# Altium PCB 控制板.PcbDoc (part 1 of 12)
Units mil, origin at the board's own origin, x right, y up, seen from the top; angles counter-clockwise.
Board outline 8150.4 x 2246.9 mil, 6 copper layers (TopLayer, MidLayer1, MidLayer2, MidLayer3, MidLayer4, BottomLayer); 1570 components, 853 nets, 4888 pads, 1859 vias.
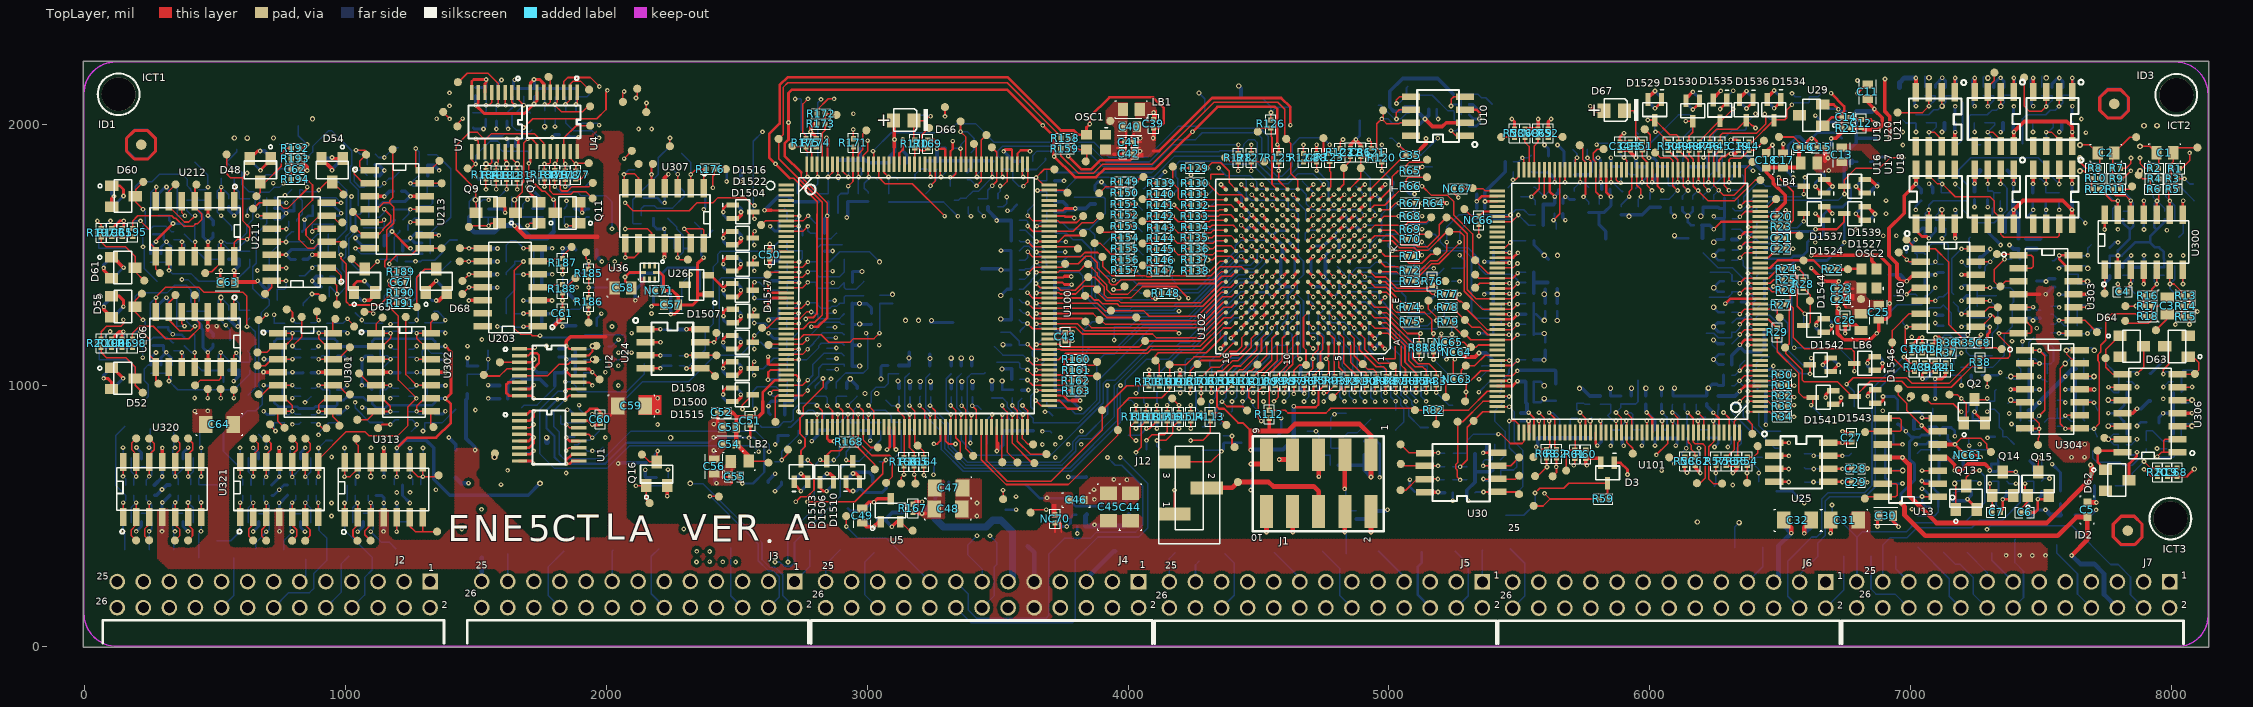
[diagram p0: TopLayer view]
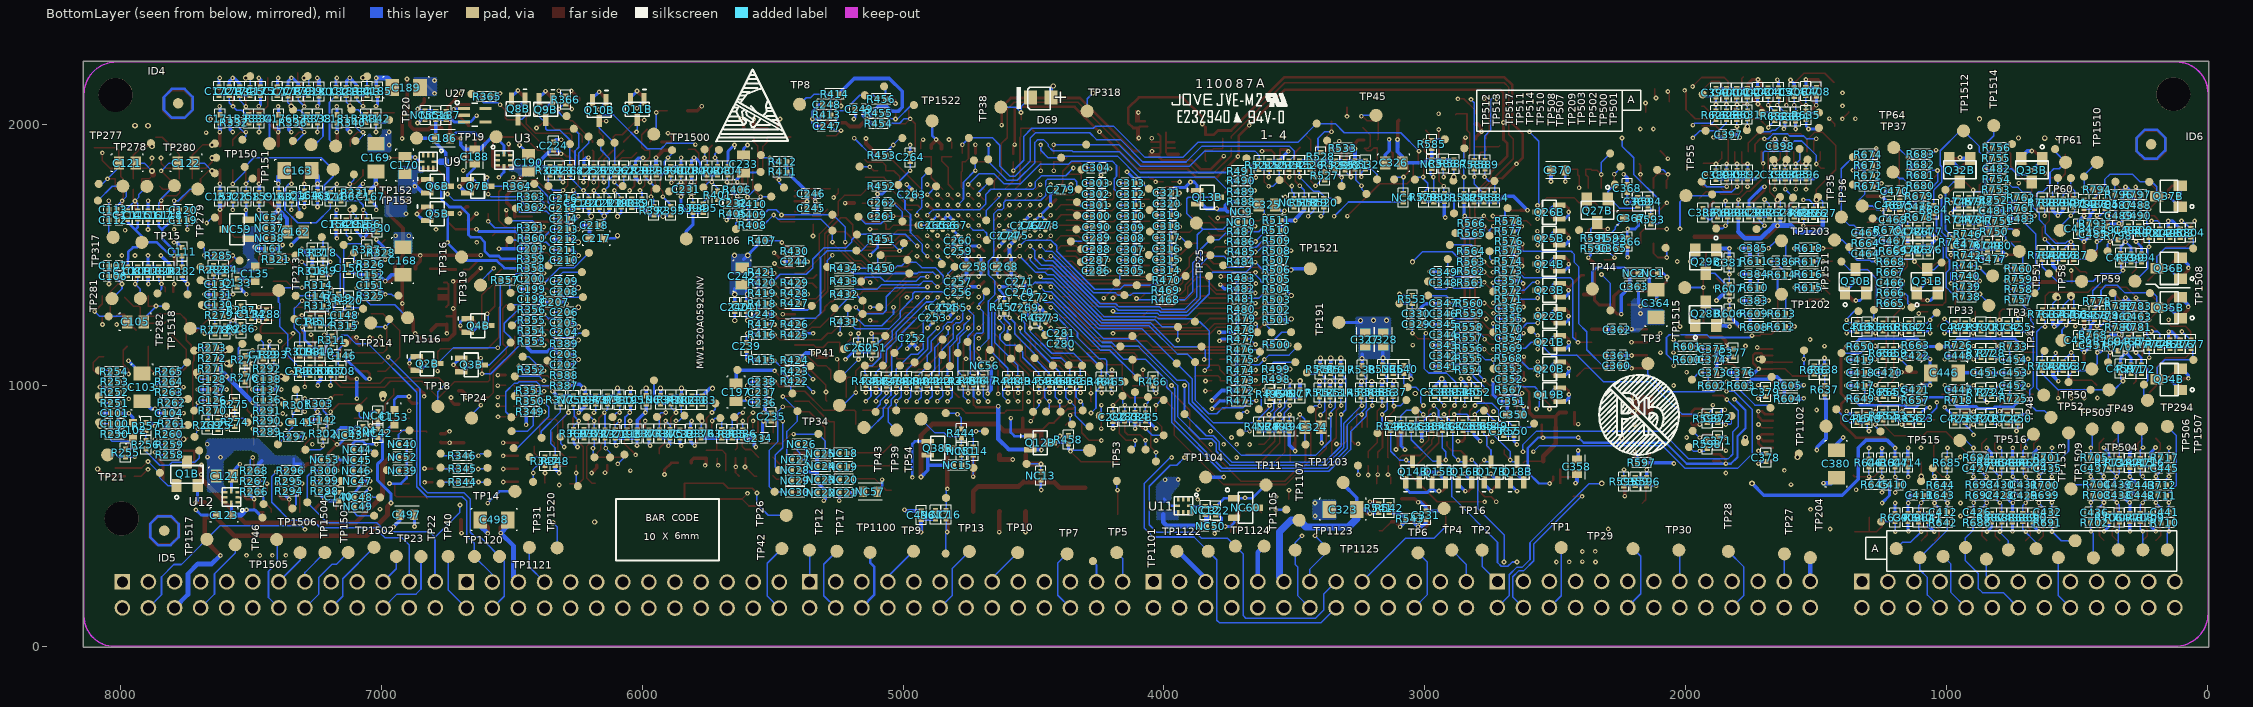
[diagram p1: BottomLayer view, seen from below]
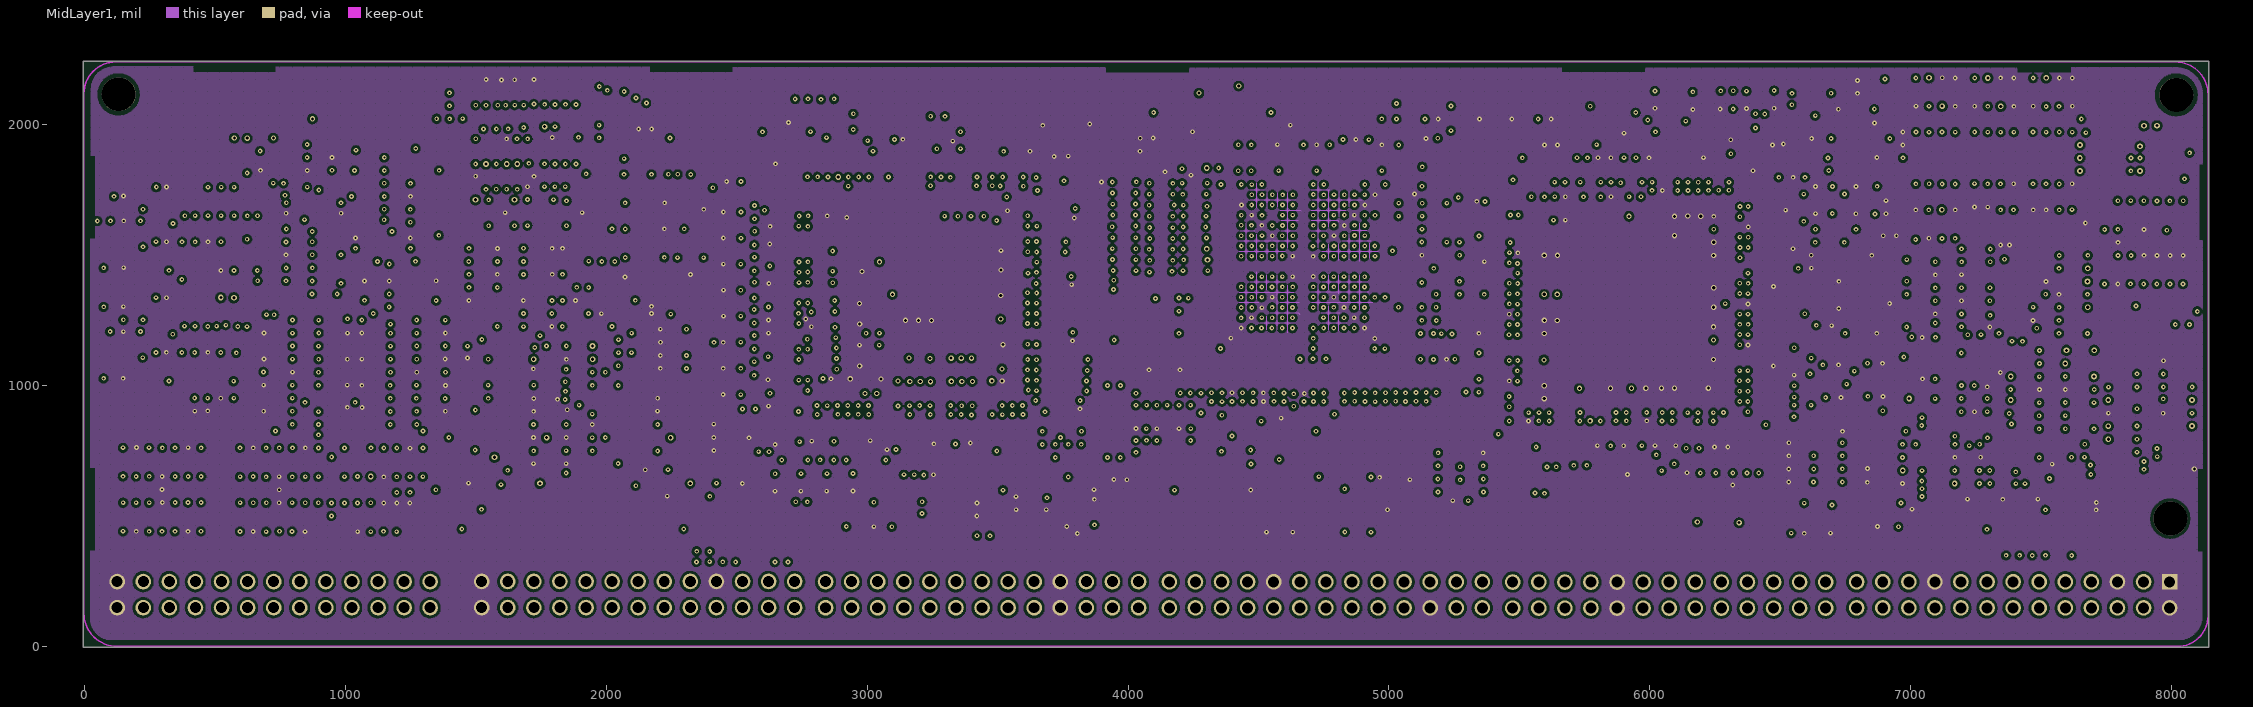
[diagram p2: MidLayer1]
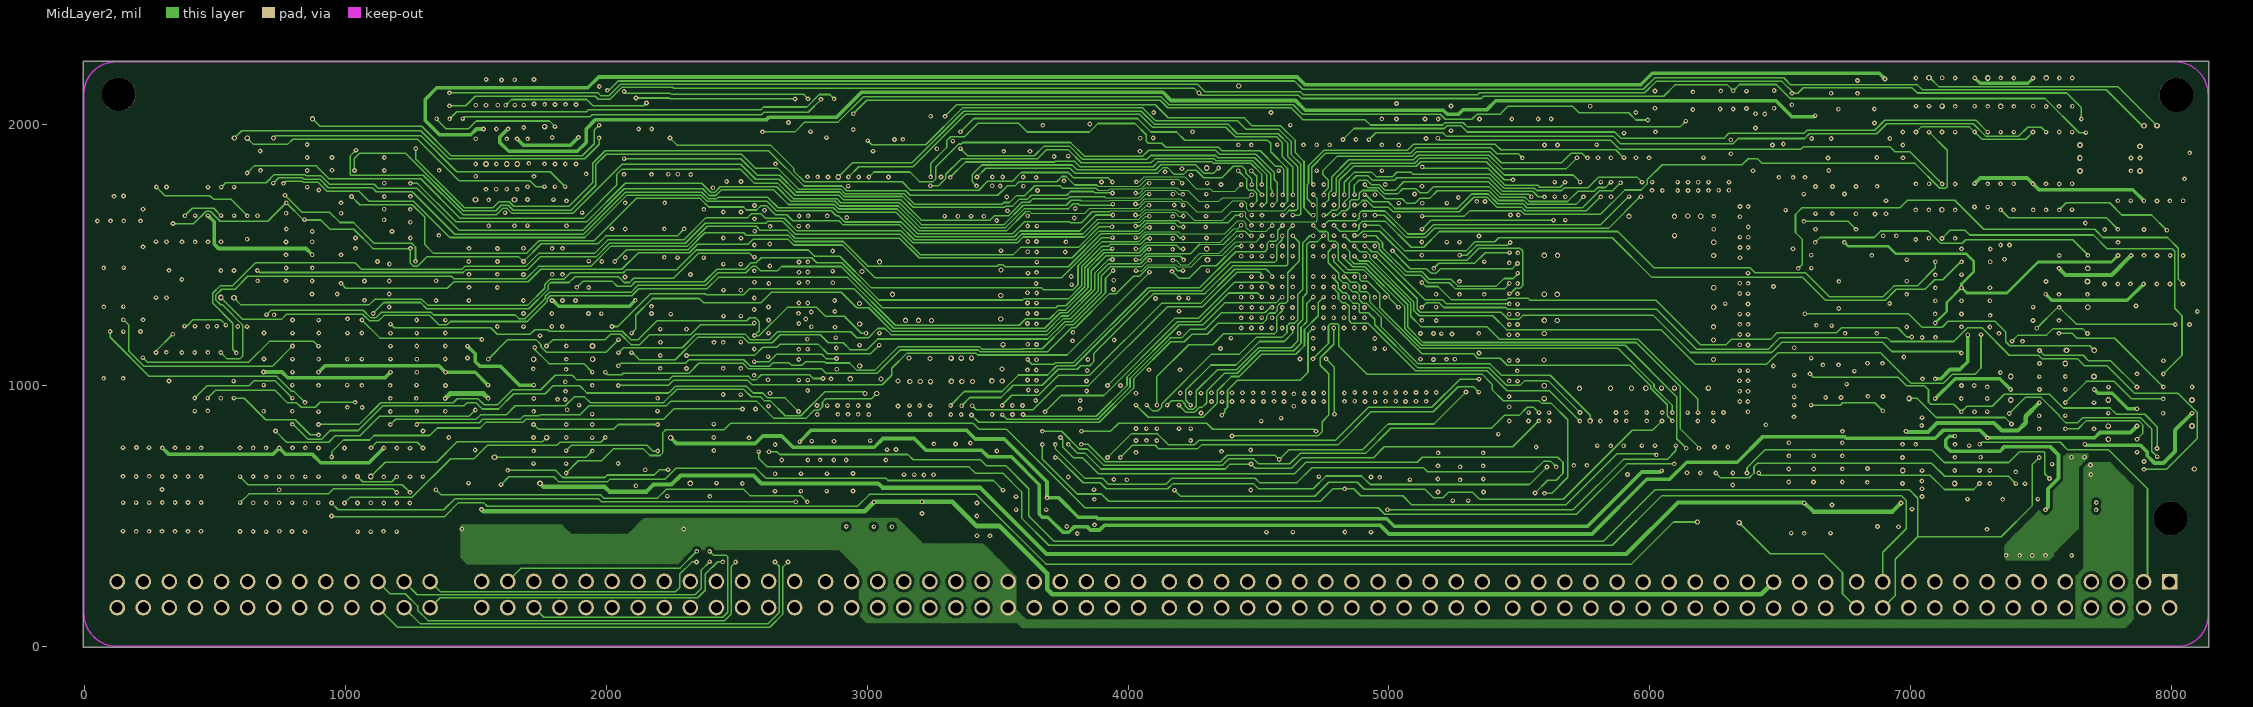
[diagram p3: MidLayer2]
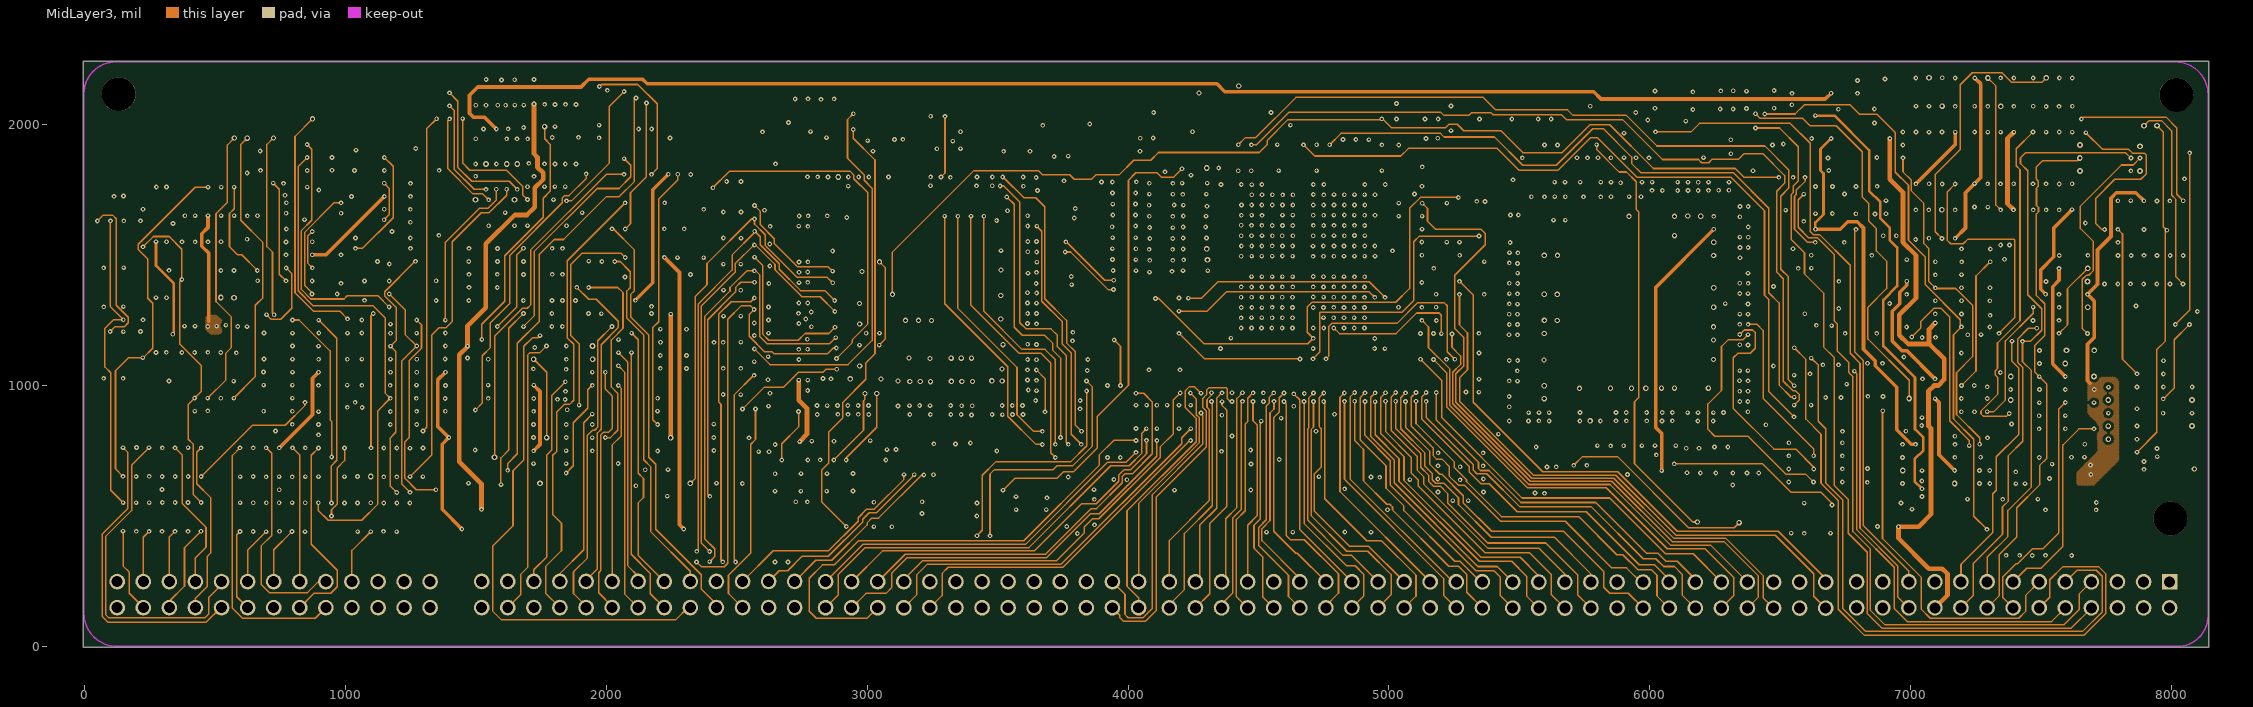
[diagram p4: MidLayer3]
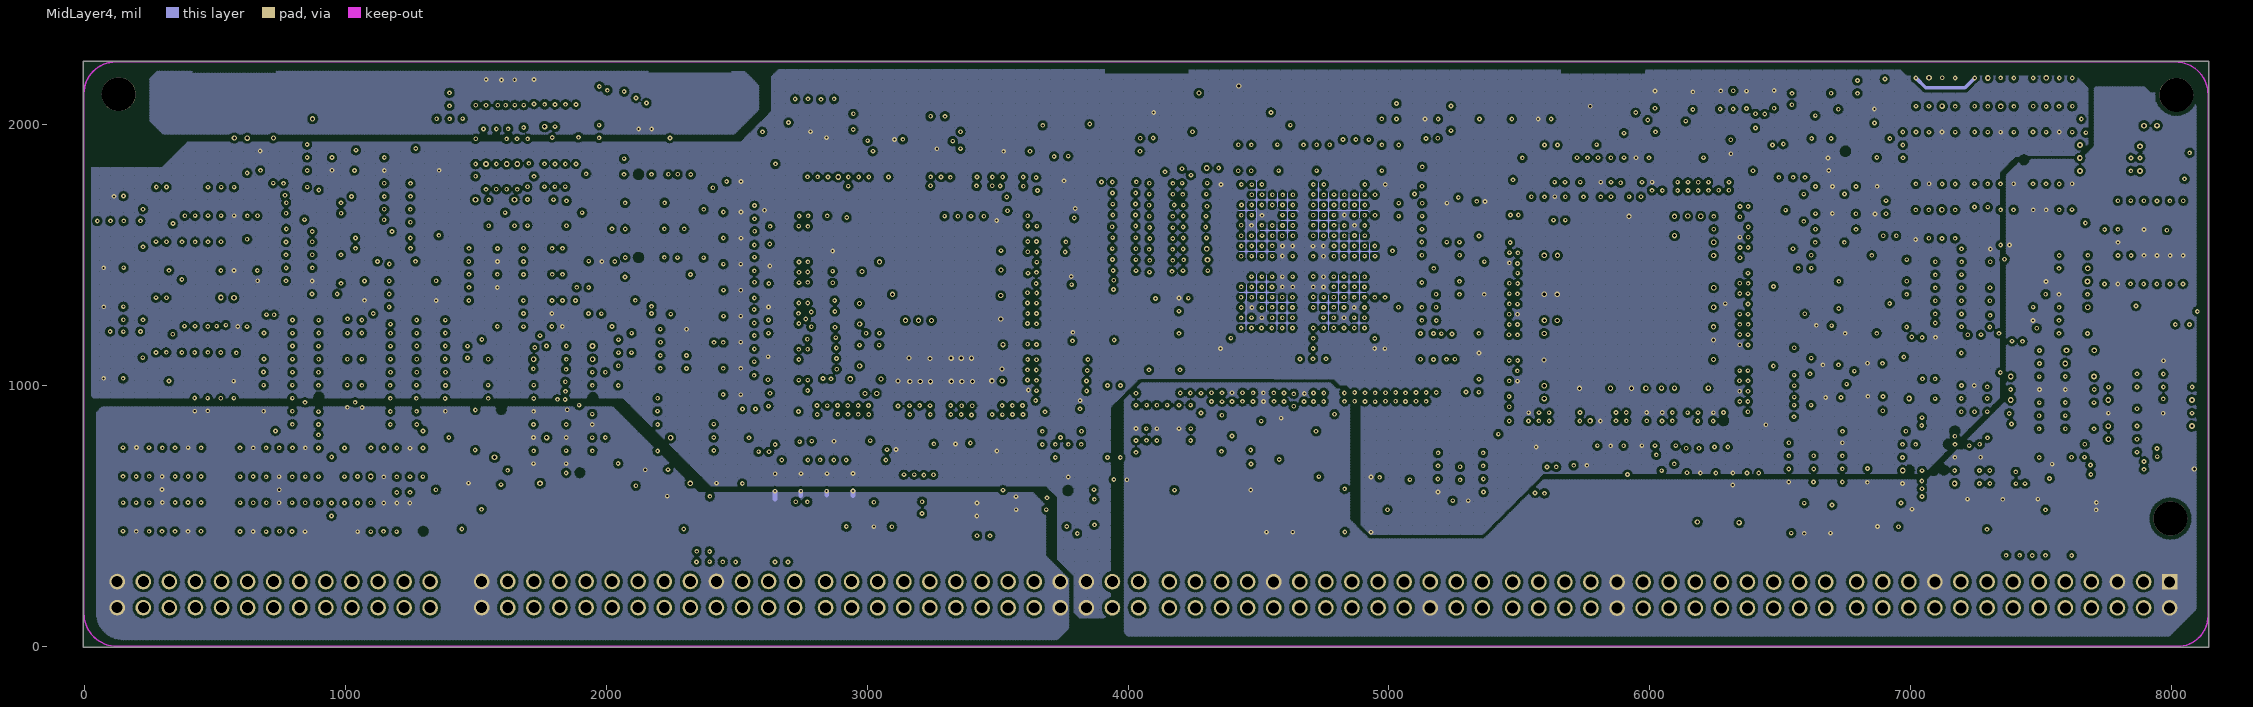
[diagram p5: MidLayer4]

## Layer stack, top to bottom
TopLayer: signal copper 1.4
Dielectric: dielectric 12.6, FR-4, Dk 4.8
MidLayer1: signal copper 1.4
Dielectric: dielectric 12.6, FR-4, Dk 4.8
MidLayer2: signal copper 1.4
Dielectric: dielectric 12.6, FR-4, Dk 4.8
MidLayer3: signal copper 1.4
Dielectric: dielectric 12.6, FR-4, Dk 4.8
MidLayer4: signal copper 1.4
Dielectric: dielectric 12.6, FR-4, Dk 4.8
BottomLayer: signal copper 1.4

## Board outline
-6.3,-3 8144.1,-3 8144.1,2243.9 -6.3,2243.9

## Design rules (kind name [scope] priority, off if disabled: settings)
Clearance [All] p1: gap=10
FabricationTestPointUsage TestPointUsage [All] p1: valid=0 allowmultiple=FALSE
FabricationTestpoint Testpoint [All] p1: side=3 testpointundercomponent=TRUE minsize=40 maxsize=100 preferedsize=60 minholesize=20 maxholesize=40 preferedholesize=32 testpointgrid=1 allowsidetop=TRUE allowsidebottom=TRUE usegrid=TRUE gridtolerance=0.01
PolygonConnect [All] p1: connectstyle=Relief reliefconductorwidth=10 reliefentries=4 polygonreliefangle="90 Angle"
RoutingLayers [All] p1: top layer_v5=TRUE mid layer 1_v5=FALSE mid layer 2_v5=FALSE mid layer 3_v5=FALSE mid layer 4_v5=FALSE bottom layer_v5=TRUE
RoutingVias [All] p1: holewidth=28 width=50 viastyle="Through Hole" minholewidth=28 minwidth=50 maxholewidth=28 maxwidth=50
SilkscreenOverComponentPads [All] p1: minsilkscreentomaskgap=10
SolderMaskExpansion [All] p1: expansion=4
Width [All] p1: maxlimit=1000 minlimit=3 preferedwidth=10
24 further rules are at their usual default settings.

## Components (designator, comment, footprint, x,y, rotation, side; value= is the part's Value field where it differs from the comment)
C1 "10uF" C0805#1 7943.2,1892.5 r0 top
C2 "10uF" C0805#1 7717.4,1891.7 r0 top
C3 "10uF" C0805#1 7984.4,1273 r90 top
C4 "100nF" C0402 7798.6,1359.6 r0 top
C5 "1uF" "C0603 - duplicate" 7678.2,495.9 r90 top
C6 "1nF" C0402 7453.6,513.4 r180 top
C7 "1nF" C0402 7344,514.2 r180 top
C8 "100PF" C0402 7264,1165 r0 top
C9 "1nF" C0402 7054.9,1054.6 r90 top
C10 "100PF" C0402 7005.3,1124.4 r90 top
C11 "6.8uF" C0603 6836.3,2098.6 r90 top
C12 "100nF" C0402 6811.3,2020.5 r270 top
C13 "6.8uF" C0603 6736.1,1857.1 r90 top
C14 "100nF" C0402 6768.4,2028 r180 top
C15 "100nF" C0402 6672.4,1912.8 r180 top
C16 "100nF" C0402 6603.8,1913 r180 top
C17 "6.8uF" C0603 6511.3,1835.9 r90 top
C18 "1uF" "C0603 - duplicate" 6446.9,1835.9 r90 top
C19 "100nF" C0402 6340.9,1933.6 r270 top
C20 "10nF" C0402 6489.4,1648 r0 top
C21 "1nF" C0402 6489,1564.6 r0 top
C22 "100nF" C0402 6488.6,1525 r0 top
C23 "100nF" C0402 6718.2,1370.5 r0 top
C24 "1nF" C0402 6718.2,1330.5 r0 top
C25 "6.8uF" C0603 6877.8,1253.8 r90 top
C26 "100nF" C0402 6749.9,1234.6 r90 top
C27 "100nF" C0402 6774.4,784 r90 top
C28 "24PF" C0402 6806.1,681.3 r180 top
C29 "24PF" C0402 6805.3,629.2 r180 top
C30 "6.8uF" C0603 6877.8,500.9 r0 top
C31 "10uF" C1206 6694.9,484.2 r90 top
C32 "10uF" C1206 6514.4,483.8 r90 top
C33 "100nF" C0402 5926.5,1933.8 r270 top
C34 "100nF" C0402 5886.3,1933.6 r270 top
C35 "100PF" C0402 5066.7,1883.2 r0 top
C36 "100PF" C0402 4892.6,1878.2 r90 top
C37 "100PF" C0402 4853.2,1877.8 r90 top
C38 "24PF" C0402 4723,1858.2 r90 top
C39 "100nF" C0402 4097.4,1987.5 r90 top
C40 "6.8uF" C0603 3979,1992.5 r0 top
C41 "100nF" C0402 4017.8,1933 r180 top
C42 "1nF" C0402 4017.8,1888.4 r180 top
C43 "100nF" C0402 3759.4,1202.5 r270 top
C44 "10uF" C1206 4009.4,481.3 r180 top
C45 "10uF" C1206 3925.7,481.7 r180 top
C46 "1uF" "C0603 - duplicate" 3829,561.7 r180 top
C47 "10uF" C1206 3365.3,608 r270 top
C48 "10uF" C1206 3362.8,527.1 r270 top
C49 "6.8uF" C0603 2981.1,473.8 r90 top
C50 "100nF" C0402 2626.5,1485.3 r90 top
C51 "10nF" C0402 2551.7,849.6 r90 top
C52 "100nF" C0402 2457.1,896.9 r180 top
C53 "6.8uF" C0603 2442.8,839.6 r0 top
C54 "1uF" "C0603 - duplicate" 2444,774.6 r0 top
C55 "100nF" C0402 2506.9,650 r180 top
C56 "6.8uF" C0603 2412.8,662.5 r90 top
C57 "1uF" C0603 2220.3,1309.2 r0 top
C58 "2.2uF" C0805#1 2096.1,1374.2 r180 top
C59 "10uF" C1206 2149,921.7 r270 top
C60 "100nF" C0402 1976.1,886.3 r270 top
C61 "51PF" C0402 1831.7,1292.3 r270 top
C62 "51PF" C0402 791.9,1829.6 r0 top
C63 "6.8uF" C0603 519.9,1396.7 r0 top
C64 "10uF" C1206 569,851.3 r270 top
C65 "51PF" C0402 143.6,1602.1 r270 top
C66 "51PF" C0402 143.2,1146.7 r90 top
C67 "51PF" C0402 1196.9,1395.9 r0 top
C68 "100PF" C0402 8021.5,683.8 r270 top
C100 "100nF" C0402 8007.4,853.8 r0 bottom
C101 "100nF" C0402 8007.4,893.8 r0 bottom
C102 "1uF" "C0603 - duplicate" 7953.2,800.9 r90 bottom
C103 "6.8uF" C1206 7918.2,940.5 r0 bottom
C104 "100nF" C0402 7797.8,894.2 r0 bottom
C105 "10uF" C0805#1 7911.1,1243.8 r0 bottom
C106 "330K" C0402 8012.8,1418.4 r0 bottom
C107 "22nF" C0402 8012.8,1458.8 r0 bottom
C108 "330K" C0402 7973.6,1422.5 r90 bottom
C109 "22nF" C0402 7934.4,1423 r90 bottom
C110 "100nF" C0402 7894.4,1422.1 r90 bottom
C111 "100nF" C0402 7764.4,1498 r90 bottom
C112 "22nF" C0402 8044.4,1633.8 r180 bottom
C113 "330K" C0402 8044.9,1673.8 r180 bottom
C114 "22nF" C0402 7974.4,1668.8 r270 bottom
C115 "330K" C0402 7934.4,1669.2 r270 bottom
C116 "100nF" C0402 7894.9,1668.4 r270 bottom
C117 "330K" C0402 7854.4,1668.8 r270 bottom
C118 "22nF" C0402 7814.9,1668.8 r270 bottom
C119 "330K" C0402 7744,1633.4 r0 bottom
C120 "22nF" C0402 7744,1673 r0 bottom
C121 "10uF" C0805#1 7941.9,1853 r0 bottom
C122 "10uF" C0805#1 7716.9,1853 r0 bottom
C123 "1uF" "C0603 - duplicate" 7575.3,503.4 r0 bottom
C124 "2.2uF" C0805#1 7569.4,653 r0 bottom
C125 "51PF" C0402 7627.4,832.5 r90 bottom
C126 "51PF" C0402 7663.2,943.4 r180 bottom
C127 "100nF" C0402 7663.6,983.8 r180 bottom
C128 "1nF" C0402 7663.6,1023.8 r180 bottom
C129 "51PF" C0402 7598.6,1228.8 r270 bottom
C130 "51PF" C0402 7608.2,1309.2 r0 bottom
C131 "100nF" C0402 7607.8,1348.4 r0 bottom
C132 "1nF" C0402 7608.6,1388.4 r0 bottom
C133 "100nF" C0402 7553.6,1378.4 r90 bottom
C134 "100nF" C0402 7498.6,1258 r90 bottom
C135 "1uF" "C0603 - duplicate" 7484,1456.3 r270 bottom
C136 "1nF" C0402 7453.6,944.6 r180 bottom
C137 "100nF" C0402 7454,984.6 r180 bottom
C138 "51PF" C0402 7454,1023.8 r180 bottom
C139 "51PF" C0402 7453.2,1134.2 r270 bottom
C140 "1nF" C0402 7163.6,589.6 r270 bottom
C141 "1uF" "C0603 - duplicate" 7285.3,858.8 r0 bottom
C142 "100PF" C0402 7207.8,868.8 r0 bottom
C143 "100PF" C0402 7314,1038.4 r90 bottom
C144 "1nF" C0402 7274,1113.4 r90 bottom
C145 "100nF" C0402 7274.4,1260 r270 bottom
C146 "100PF" C0402 7134,1115 r0 bottom
C147 "1nF" C0402 7223.6,1344.6 r0 bottom
C148 "1nF" C0402 7124.4,1269.6 r0 bottom
C149 "100PF" C0402 7225.3,1423.8 r90 bottom
C150 "100PF" C0402 7126.1,1433.4 r90 bottom
C151 "100nF" C0402 7056.1,1384.6 r180 bottom
C152 "100nF" C0402 7055.7,1424.6 r180 bottom
C153 "1uF" "C0603 - duplicate" 6950.5,851.7 r90 bottom
C154 "100nF" C0402 7174.9,1603.4 r90 bottom
C155 "24PF" C0402 7096.1,1603.4 r90 bottom
C156 "100PF" C0402 7056.1,1603 r90 bottom
C157 "100nF" C0402 7619.4,1708 r90 bottom
C158 "24PF" C0402 7518.6,1708.4 r90 bottom
C159 "100nF" C0402 7469.4,1708.4 r90 bottom
C160 "100nF" C0402 7394,1708.4 r90 bottom
C161 "100nF" C0402 7445.3,1523.8 r180 bottom
C162 "2.2uF" C0805#1 7297.4,1589.2 r0 bottom
C163 "6.8uF" C1206 7372.4,1824.2 r90 bottom
C164 "24PF" C0402 7294.9,1745 r270 bottom
C165 "100nF" C0402 7245.3,1744.2 r270 bottom
C166 "150K" C0402 7155.3,1739.6 r270 bottom
C167 "100nF" C0402 7041.1,1740 r270 bottom
C168 "6.8uF" C1206 6918.2,1530.9 r180 bottom
C169 "6.8uF" C1206 7021.9,1926.3 r180 bottom
C170 "2.2uF" C0805#1 6910.7,1811.7 r90 bottom
C171 "100nF" C0402 7619,2038.4 r270 bottom
C172 "9.09K" C0402 7622.8,2143.4 r270 bottom
C173 "100PF" C0402 7583.6,2143.4 r270 bottom
C174 "24PF" C0402 7543.2,2143.4 r270 bottom
C175 "100nF" C0402 7463.6,2143.4 r270 bottom
C176 "100nF" C0402 7394.4,2038.4 r270 bottom
C177 "9.09K" C0402 7399.4,2143.4 r270 bottom
C178 "100PF" C0402 7359,2142.5 r270 bottom
C179 "27PF" C0402 7319.4,2143 r270 bottom
C180 "100nF" C0402 7239.9,2142.5 r270 bottom
C181 "100nF" C0402 7170.3,2038.4 r270 bottom
C182 "9.09K" C0402 7174.9,2142.5 r270 bottom
C183 "100PF" C0402 7134.9,2143 r270 bottom
C184 "24PF" C0402 7095.7,2142.5 r270 bottom
C185 "100nF" C0402 7015.3,2143 r270 bottom
C186 "1uF" C0603 6736.9,1947.5 r0 bottom
C187 "100nF" C0402 6751.9,2020 r90 bottom
C188 "1uF" C0603 6641.9,1850.5 r90 bottom
C189 "6.8uF" C1206 6852.4,2142.5 r270 bottom
C190 "2.2uF" C0805#1 6435.7,1821.7 r90 bottom
C191 "100nF" C0402 6059,829.6 r270 bottom
C192 "100nF" C0402 6019.4,830 r270 bottom
C193 "100nF" C0402 5814.9,830.9 r270 bottom
C194 "100nF" C0402 6218.6,960.9 r270 bottom
C195 "100nF" C0402 6044.9,960 r270 bottom
C196 "100nF" C0402 5984.9,960.5 r270 bottom
C197 "2.2uF" C0805#1 5640.5,942.1 r90 bottom
C198 "2.2nF" C0402 6409.2,1330 r0 bottom
C199 "2.2nF" C0402 6409.2,1369.6 r0 bottom
C200 "2.2nF" C0402 6409.4,1409.8 r0 bottom
C201 "2.2nF" C0402 6409.4,1524.6 r0 bottom
C202 "100nF" C0402 6283.2,1080.5 r0 bottom
C203 "100nF" C0402 6283.6,1119.6 r0 bottom
C204 "2.2nF" C0402 6283.6,1204.6 r0 bottom
C205 "2.2nF" C0402 6284,1240.5 r0 bottom
C206 "2.2nF" C0402 6284,1280.5 r0 bottom
C207 "100nF" C0402 6319,1319.6 r0 bottom
C208 "2.2nF" C0402 6284.4,1360 r0 bottom
C209 "2.2nF" C0402 6284.4,1400.5 r0 bottom
C210 "2.2nF" C0402 6284,1480 r0 bottom
C211 "2.2nF" C0402 6284.9,1519.6 r0 bottom
C212 "100nF" C0402 6284.4,1560 r0 bottom
C213 "2.2nF" C0402 6284.4,1599.6 r0 bottom
C214 "2.2nF" C0402 6284.9,1640 r0 bottom
C215 "2.2nF" C0402 6287.1,1679.2 r0 bottom
C216 "2.2nF" C0402 6286.5,1718.8 r0 bottom
C217 "1uF" "C0603 - duplicate" 6147.8,1564.6 r0 bottom
C218 "10nF" C0402 6169.4,1614.6 r0 bottom
C219 "2.2nF" C0402 6246.3,1683 r90 bottom
C220 "2.2nF" C0402 6204.9,1683.4 r90 bottom
C221 "2.2nF" C0402 6165.3,1683.8 r90 bottom
C222 "2.2nF" C0402 6125.9,1683.4 r90 bottom
C223 "2.2nF" C0402 6316.1,1808 r90 bottom
C224 "100nF" C0402 6340.3,1903 r90 bottom
C225 "2.2nF" C0402 6221.9,1808.8 r90 bottom
C226 "2.2nF" C0402 6185.7,1808.4 r90 bottom
C227 "2.2nF" C0402 6150.3,1807.5 r90 bottom
C228 "2.2nF" C0402 6070.7,1808.4 r90 bottom
C229 "100nF" C0402 6026.1,1808.4 r90 bottom
C230 "100nF" C0402 5811.1,1808.4 r90 bottom
C231 "100nF" C0402 5847.4,1752.5 r180 bottom
C232 "100nF" C0402 5667.4,1698.8 r180 bottom
C233 "2.2uF" C0805#1 5611.9,1816.7 r90 bottom
C234 "100nF" C0402 5570.3,798.8 r180 bottom
C235 "100nF" C0402 5505.3,895 r270 bottom
C236 "100nF" C0402 5524.4,934.6 r0 bottom
C237 "100nF" C0402 5524.4,974.8 r0 bottom
C238 "100nF" C0402 5525.1,1014.6 r0 bottom
C239 "100nF" C0402 5600.3,1134.2 r90 bottom
C240 "100nF" C0402 5645.3,1315 r270 bottom
C241 "100nF" C0402 5600.3,1315.5 r270 bottom
C242 "3.3uF" C0805#1 5616.9,1387.5 r90 bottom
C243 "100nF" C0402 5524.9,1273.8 r0 bottom
C244 "100nF" C0402 5400.7,1474.6 r0 bottom
C245 "100nF" C0402 5336.9,1679.6 r0 bottom
C246 "100nF" C0402 5336.5,1734.8 r0 bottom
C247 "1nF" C0402 5276.1,1995 r0 bottom
C248 "1nF" C0402 5277.4,2077.5 r0 bottom
C249 "100nF" C0402 5152.4,2058.4 r0 bottom
C250 "1nF" C0402 5170.7,1129.2 r90 bottom
C251 "1nF" C0402 5115.7,1129.2 r90 bottom
C252 "100nF" C0201 4964.4,1163 r90 bottom
C253 "100nF" C0201 4886.5,1242.1 r90 bottom
C254 "100nF" C0201 4847.8,1281.3 r90 bottom
C255 "100nF" C0201 4808.2,1281.3 r90 bottom
C256 "100nF" C0201 4805.7,1357.5 r180 bottom
C257 "100nF" C0201 4806.1,1398 r180 bottom
C258 "150nH" C0603 4756.9,1456.3 r180 bottom
C259 "100nF" C0201 4806.9,1515 r180 bottom
C260 "100nF" C0201 4806.5,1555 r180 bottom
C261 "100PF" C0402 5098.2,1650 r180 bottom
C262 "100PF" C0402 5098.2,1700 r180 bottom
C263 "100nF" C0201 4966.5,1750 r270 bottom
C264 "1nF" C0402 4972.4,1890 r270 bottom
C265 "100nF" C0201 4887.8,1631.7 r270 bottom
C266 "100nF" C0201 4848.2,1632.5 r270 bottom
C267 "100nF" C0201 4808.2,1631.7 r270 bottom
C268 "120nH" C0603 4639.9,1455.9 r180 bottom
C269 "100nF" C0201 4533,1281.1 r90 bottom
C270 "100nF" C0201 4570.7,1358.4 r180 bottom
C271 "100nF" C0201 4571.1,1398 r180 bottom
C272 "100nF" C0201 4493.4,1356.1 r270 bottom
C273 "100nF" C0201 4454.2,1241.7 r90 bottom
C274 "100nF" C0201 4613,1556.3 r90 bottom
C275 "100nF" C0201 4572.8,1556.1 r90 bottom
C276 "100nF" C0201 4534,1595.7 r90 bottom
C277 "100nF" C0201 4494.4,1596.3 r90 bottom
C278 "100nF" C0201 4454.6,1596.1 r90 bottom
C279 "100nF" C0201 4413.2,1751.3 r180 bottom
C280 "100nF" C0201 4412.4,1160.5 r180 bottom
C281 "100nF" C0201 4412.1,1200.5 r180 bottom
C282 "100PF" C0402 4196.5,863.4 r90 bottom
C283 "100PF" C0402 4151.1,863.8 r90 bottom
C284 "100PF" C0402 4111.1,864.2 r90 bottom
C285 "100PF" C0402 4071.1,863.6 r90 bottom
C286 "100PF" C0402 4275.3,1439.6 r180 bottom
C287 "100PF" C0402 4275.3,1481.3 r180 bottom
C288 "100PF" C0402 4273,1523.4 r180 bottom
C289 "100PF" C0402 4273.2,1566.1 r180 bottom
C290 "100PF" C0402 4273.2,1607.5 r180 bottom
C300 "100PF" C0402 4243,1649.4 r0 bottom
C301 "100PF" C0402 4243.2,1691.3 r0 bottom
C302 "100PF" C0402 4243.2,1733.8 r0 bottom
C303 "100PF" C0402 4243.8,1776.3 r0 bottom
C304 "100PF" C0402 4242.4,1834.2 r0 bottom
C305 "100PF" C0402 4111.1,1440 r0 bottom
C306 "100PF" C0402 4111.9,1479.6 r0 bottom
C307 "100PF" C0402 4111.5,1521.5 r0 bottom
C308 "100PF" C0402 4112.1,1564 r0 bottom
C309 "100PF" C0402 4112.1,1605.7 r0 bottom
C310 "100PF" C0402 4111.9,1648.8 r0 bottom
C311 "100PF" C0402 4112.1,1691.9 r0 bottom
C312 "100PF" C0402 4112.4,1733.4 r0 bottom
C313 "100PF" C0402 4111.9,1775.3 r0 bottom
C314 "100PF" C0402 3972.8,1441.3 r0 bottom
C315 "100PF" C0402 3973.2,1483 r0 bottom
C316 "100PF" C0402 3973.8,1524.6 r0 bottom
C317 "100PF" C0402 3973.4,1566.9 r0 bottom
C318 "100PF" C0402 3972.6,1610.7 r0 bottom
C319 "100PF" C0402 3972.8,1653.8 r0 bottom
C320 "100PF" C0402 3972.4,1696.3 r0 bottom
C321 "100PF" C0402 3971.5,1738.8 r0 bottom
C322 "100nF" C0402 3801.7,504.8 r90 bottom
C323 "6.8uF" C1206 3260.7,524.6 r270 bottom
C324 "2.2uF" C0805#1 3460.7,840 r180 bottom
C325 "2.2uF" C0805#1 3637.4,1692.5 r180 bottom
C326 "3.3uF" C0805#1 3151.5,1853.8 r180 bottom
C327 "10uF" C0603 3227.8,1203.4 r270 bottom
C328 "10uF" C0603 3158.6,1203.4 r270 bottom
C329 "100nF" C0402 3047.8,1235 r180 bottom
C330 "1nF" C0402 3048.2,1275.5 r180 bottom
C331 "100nF" C0402 2995.7,518.8 r270 bottom
C332 "2.2nF" C0402 3091.5,826.7 r90 bottom
C333 "2.2nF" C0402 3012.4,827.1 r90 bottom
C334 "2.2nF" C0402 2972.4,828 r90 bottom
C335 "2.2nF" C0402 2853.6,828.4 r90 bottom
C336 "2.2nF" C0402 2814,828.4 r90 bottom
C337 "2.2nF" C0402 2697.4,808.4 r90 bottom
C338 "2.2nF" C0402 2961.9,958.4 r90 bottom
C339 "2.2nF" C0402 2921.5,958.4 r90 bottom
C340 "2.2nF" C0402 2841.5,958 r90 bottom
C341 "2.2nF" C0402 2942.8,1073.8 r180 bottom
C342 "2.2nF" C0402 2942.4,1114.6 r180 bottom
C343 "2.2nF" C0402 2942.8,1154.6 r180 bottom
C344 "2.2nF" C0402 2942.8,1194.6 r180 bottom
C345 "2.2nF" C0402 2942.8,1234.2 r180 bottom
C346 "2.2nF" C0402 2943.2,1275 r180 bottom
C347 "2.2nF" C0402 2942.8,1315.5 r180 bottom
C348 "2.2nF" C0402 2943.2,1394.6 r180 bottom
C349 "2.2nF" C0402 2943.2,1435 r180 bottom
C350 "1uF" "C0603 - duplicate" 2684,888.4 r180 bottom
C351 "10nF" C0402 2651.1,939.6 r0 bottom
C352 "2.2nF" C0402 2661.5,1023.8 r0 bottom